# Altium PCB BrewController.PcbDoc (continued)
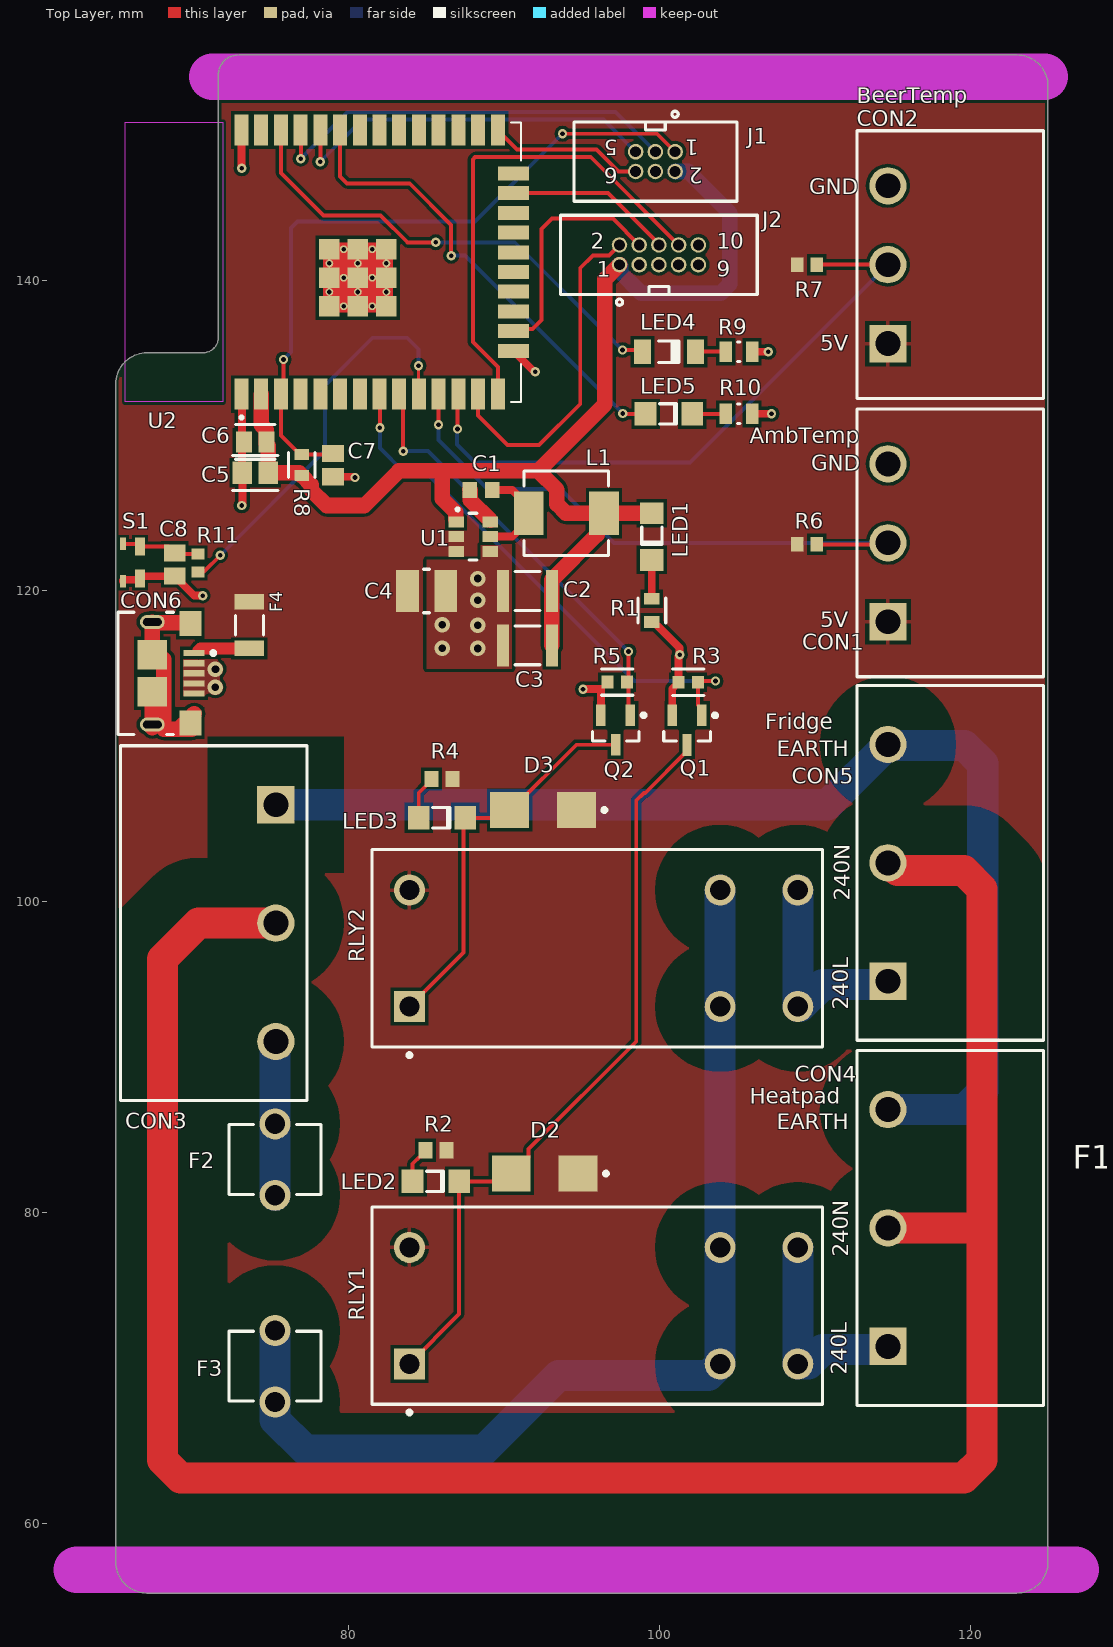
[diagram p0: Top Layer view]
## Part data (continued)
Q1 Q2: library part CMP-1259-00085-1, "N-Channel Trench MOSFET, 60 V, 0.36 A, -55 to 150 degC, 3-Pin SOT23, Tape and Reel", Manufacturer="NXP Semiconductors", Supplier Part Number 1=1727-1142-1-ND, Automotive Qualified=Y, Category=MOSFETs, Channel Type=N, Code_JEDEC=TO-236AB, ComponentLink1Description="Manufacturer URL", ComponentLink1URL=http://www.nxp.com/, ComponentLink2Description=Datasheet, ComponentLink2URL=http://www.nxp.com/documents/data_sheet/BSS138P.pdf, ComponentLink3Description="Package Specification", ComponentLink3URL=http://www.nxp.com/documents/outline_drawing/sot023_po.pdf, ComponentLink4Description=http://www.farnell.com/datasheets/923164.pdf?src-supplier=Farnell, ComponentLink4URL=http://www.farnell.com/datasheets/923164.pdf?src-supplier=Farnell, ComponentLink5Description=https://www.mouser.com/ds/2/302/BSS138P-114022.pdf?src-supplier=Mouser, ComponentLink5URL=https://www.mouser.com/ds/2/302/BSS138P-114022.pdf?src-supplier=Mouser, ComponentLink6Description=https://assets.nexperia.com/documents/data-sheet/BSS138P.pdf?src-supplier=Digi-Key, ComponentLink6URL=https://assets.nexperia.com/documents/data-sheet/BSS138P.pdf?src-supplier=Digi-Key, ComponentLink7Description=http://www.farnell.com/datasheets/923164.pdf?src-supplier=Newark, ComponentLink7URL=http://www.farnell.com/datasheets/923164.pdf?src-supplier=Newark, DatasheetVersion="Rev. 1", ID [max] (A)=0.36, IDM [max] (A)=1.2, Manufacturer Part Number=BSS138P,215, Mounting Technology="Surface Mount", PackageDescription="3-Pin Small Outline Transistor Package, Body 2.9 x 1.3 mm, Pitch 0.95 mm", PackageReference=SOT23, PackageVersion="06-03-16, 03/2006", Packing="Tape & Reel", PartNumber=BSS138P,215, RoHS=No, Stock 1=527110, Supplier 1=Digi-Key, VDS [max] (V)=60, VGSth [typ] (V)=1.2
R1: library part CMP-02407-003555-1, "RES Thick Film, 220Ω, 1%, 0.1W, 100ppm/°C, 0603", Case Code (Imperial)=0603, Case Code (Metric)=1608, Manufacturer="Vishay Dale", Max Operating Temperature=155°C, Max Power Dissipation=100mW, Min Operating Temperature=-55°C, Package Quantity=10000, Resistance=220R, Resistor Type="Thick Film", Supplier Part Number 1=541-CRCW0603220RFKEBCT-ND, Temperature Coefficient=100ppm/°C, Tolerance=1%, Voltage Rating=75V, Case/Package=0603, Category="Chip SMD Resistors", ComponentLink1Description=https://datasheet.ciiva.com/16430/dcrcwe3-16430094.pdf?src-supplier=Future+Electronics, ComponentLink1URL=https://datasheet.ciiva.com/16430/dcrcwe3-16430094.pdf?src-supplier=Future+Electronics, Composition="Thick Film", Depth=0.85mm, Features="Automotive AEC-Q200", Height=0.02inch, Lead Free="Lead Free", Length=1.55mm, Manufacturer Part Number=CRCW0603220RFKEB, Military Standard=Not, Number of Terminations=2, Packaging="Tape and Reel", Power Rating=100mW, RoHS=Yes, Stock 1=12344, Supplier 1=Digi-Key, Termination=SMD/SMT, Weight=7.1E-05oz, Width=0.85mm
R2 R4: library part CMP-2000-03529-1, "0603 680R", Case Code (Imperial)=0603, Case Code (Metric)=1608, Manufacturer="Vishay Dale", Max Operating Temperature=155°C, Max Power Dissipation=100mW, Min Operating Temperature=-55°C, Package Quantity=10, Resistance=680R, Resistor Type="Thick Film", Supplier Part Number 1=541-680HCT-ND, Temperature Coefficient=100ppm/°C, Tolerance=1%, Voltage Rating=75V, Case/Package=0603, Category="Chip SMD Resistors", ComponentLink1Description=https://datasheet.ciiva.com/11809/0900766b80d98afc-11809697.pdf?src-supplier=RSComponents, ComponentLink1URL=https://datasheet.ciiva.com/11809/0900766b80d98afc-11809697.pdf?src-supplier=RSComponents, ComponentLink2Description=https://datasheet.ciiva.com/16884/dcrcwe3-16884089.pdf?src-supplier=Avnet+Europe, ComponentLink2URL=https://datasheet.ciiva.com/16884/dcrcwe3-16884089.pdf?src-supplier=Avnet+Europe, ComponentLink3Description=https://datasheet.ciiva.com/2465/dcrcwe3-2465995.pdf?src-supplier=Digi-Key, ComponentLink3URL=https://datasheet.ciiva.com/2465/dcrcwe3-2465995.pdf?src-supplier=Digi-Key, ComponentLink4Description=https://datasheet.ciiva.com/7777/1697337-7777339.pdf?src-supplier=Element14, ComponentLink4URL=https://datasheet.ciiva.com/7777/1697337-7777339.pdf?src-supplier=Element14, ComponentLink5Description=https://datasheet.ciiva.com/22870/70201119-22870779.pdf?src-supplier=Allied+Electronics, ComponentLink5URL=https://datasheet.ciiva.com/22870/70201119-22870779.pdf?src-supplier=Allied+Electronics, ComponentLink6Description=https://datasheet.ciiva.com/16762/70201119-16762012.pdf?src-supplier=Allied+Electronics, ComponentLink6URL=https://datasheet.ciiva.com/16762/70201119-16762012.pdf?src-supplier=Allied+Electronics, ComponentLink7Description=https://datasheet.ciiva.com/5540/dcrcwe3-109170-5540887.pdf?src-supplier=Mouser, ComponentLink7URL=https://datasheet.ciiva.com/5540/dcrcwe3-109170-5540887.pdf?src-supplier=Mouser, ComponentLink8Description=https://datasheet.ciiva.com/2465/dcrcwe3-2465993.pdf?src-supplier=Digi-Key, ComponentLink8URL=https://datasheet.ciiva.com/2465/dcrcwe3-2465993.pdf?src-supplier=Digi-Key, ComponentLink9Description=https://datasheet.ciiva.com/2465/dcrcwe3-2465994.pdf?src-supplier=Digi-Key, ComponentLink9URL=https://datasheet.ciiva.com/2465/dcrcwe3-2465994.pdf?src-supplier=Digi-Key, ComponentLink10Description=https://datasheet.ciiva.com/7777/1720486-7777564.pdf?src-supplier=Element14, ComponentLink10URL=https://datasheet.ciiva.com/7777/1720486-7777564.pdf?src-supplier=Element14, ComponentLink11Description=https://datasheet.ciiva.com/16200/dcrcwe3-16200589.pdf?src-supplier=Future+Electronics, ComponentLink11URL=https://datasheet.ciiva.com/16200/dcrcwe3-16200589.pdf?src-supplier=Future+Electronics, Contact Plating=Tin, Depth=0.85mm, Features="Automotive AEC-Q200", Height=0.45mm, Lead Free="Lead Free", Length=1.55mm, Manufacturer Part Number=CRCW0603680RFKEA, Military Standard=Not, Number of Pins=2, Number of Terminations=2, Packaging="Tape and Reel", Part Number=CRCW0603680RFKEA, Power Rating=100mW, Radiation Hardening=No, REACH SVHC=Unknown, RoHS=Yes, Stock 1=53960, Supplier 1=Digi-Key, Termination=SMD/SMT, Voltage Rating (DC)=75V, Weight=7.1E-05oz, Width=0.85mm, Working Voltage=75V
R3 R5: library part CMP-03211-005148-1, "CRGCQ0603 1MΩ 5% ±100ppm/°C 75V", Ambient Temperature Range High=+70°C, Case Code (Imperial)=0603, Case Code (Metric)=1608, Manufacturer="TE Connectivity", Max Operating Temperature=155°C, Max Power Dissipation=100mW, Min Operating Temperature=-55°C, Package=CRGCQ0603, Power Rating=0.1W, Resistance=1MΩ, Resistor Type="Thick Film", Supplier Part Number 1=A130109CT-ND, Temperature="-55°C to +155°C", Temperature Coefficient=±100ppm/°C, Temperature Range High=+155°C, Tolerance=0.05, Voltage Rating=75V, Case/Package=0603, Category=Res, ComponentLink1Description=https://4donline.ihs.com/images/VipMasterIC/IC/TYEL/TYEL-S-A0004929575/TYEL-S-A0004929575-1.pdf?hkey=52A5661711E402568146F3353EA87419&src-supplier=Element14, ComponentLink1URL=https://4donline.ihs.com/images/VipMasterIC/IC/TYEL/TYEL-S-A0004929575/TYEL-S-A0004929575-1.pdf?hkey=52A5661711E402568146F3353EA87419&src-supplier=Element14, ComponentLink2Description=Datasheet, ComponentLink2URL=https://www.te.com/commerce/DocumentDelivery/DDEController?Action=showdoc&DocId=Data+Sheet%7F1773204-3%7F1%7Fpdf%7FEnglish%7FENG_DS_1773204-3_1.pdf%7F4-2176339-1379, ComponentLink3Description=https://www.te.com/commerce/DocumentDelivery/DDEController?Action=srchrtrv&amp;DocNm=1773204-3&amp;DocType=DS&amp;DocLang=English&src-supplier=Digi-Key, ComponentLink3URL=https://www.te.com/commerce/DocumentDelivery/DDEController?Action=srchrtrv&amp;DocNm=1773204-3&amp;DocType=DS&amp;DocLang=English&src-supplier=Digi-Key, ComponentLink4Description=https://www.te.com/commerce/DocumentDelivery/DDEController?Action=srchrtrv&DocNm=1773204-3&DocType=DS&DocLang=English&src-supplier=Digi-Key, ComponentLink4URL=https://www.te.com/commerce/DocumentDelivery/DDEController?Action=srchrtrv&DocNm=1773204-3&DocType=DS&DocLang=English&src-supplier=Digi-Key, ComponentLink5Description=https://4donline.ihs.com/images/VipMasterIC/IC/TYEL/TYEL-S-A0004929575/TYEL-S-A0004929575-1.pdf?hkey=52A5661711E402568146F3353EA87419&src-supplier=Farnell, ComponentLink5URL=https://4donline.ihs.com/images/VipMasterIC/IC/TYEL/TYEL-S-A0004929575/TYEL-S-A0004929575-1.pdf?hkey=52A5661711E402568146F3353EA87419&src-supplier=Farnell, ComponentLink6Description=https://4donline.ihs.com/images/VipMasterIC/IC/TYEL/TYEL-S-A0004929575/TYEL-S-A0004929575-1.pdf?hkey=52A5661711E402568146F3353EA87419&src-supplier=Newark, ComponentLink6URL=https://4donline.ihs.com/images/VipMasterIC/IC/TYEL/TYEL-S-A0004929575/TYEL-S-A0004929575-1.pdf?hkey=52A5661711E402568146F3353EA87419&src-supplier=Newark, Composition="Thick Film", Device Class L1="Passive Components", Device Class L2=Resistors, Device Class L3="Chip SMD Resistors", Features="Moisture Resistant,Automotive AEC-Q200", Height=0.55mm, Ipc Land Pattern Name=RESC16080X45, Lead Free=Yes, Manufacturer Part Number=CRGCQ0603J1M0, Number of Terminations=2, Octopart=https://octopart.com/crgcq0603j1m0-te+connectivity-91018106, Packaging="Tape and Reel", RoHS=TRUE, Series=CRGCQ, Stock 1=139970, Supplier 1=Digi-Key, Temperature Range Low=-55°C
R6 R7: library part CMP-2000-03412-1, "0603 4K7", Case Code (Imperial)=0603, Case Code (Metric)=1608, Manufacturer="Vishay Dale", Max Operating Temperature=155°C, Max Power Dissipation=100mW, Min Operating Temperature=-55°C, Package Quantity=5000, Resistance=4.7kR, Resistor Type="Thick Film", Supplier Part Number 1=541-3004-1-ND, Temperature Coefficient=100ppm/°C, Tolerance=1%, Voltage Rating=75V, Case/Package=0603, Category="Chip SMD Resistors", ComponentLink1Description=https://datasheet.ciiva.com/2565/dcrcw-2565426.pdf?src-supplier=Digi-Key, ComponentLink1URL=https://datasheet.ciiva.com/2565/dcrcw-2565426.pdf?src-supplier=Digi-Key, ComponentLink2Description=https://datasheet.ciiva.com/9071/dcrcw-9071351.pdf?src-supplier=Avnet, ComponentLink2URL=https://datasheet.ciiva.com/9071/dcrcw-9071351.pdf?src-supplier=Avnet, Contact Plating=Tin,Lead, Depth=0.85mm, Features="Automotive AEC-Q200", Height=0.02inch, Lead Free="Contains Lead", Length=1.55mm, Manufacturer Part Number=CRCW06034K70FKTA, Military Standard=Not, Number of Terminations=2, Packaging="Tape and Reel", Part Number=CRCW06034K70FKTA, Power Dissipation=100mW, Power Rating=100mW, Radiation Hardening=No, RoHS=Yes, Stock 1=384, Supplier 1=Digi-Key, Voltage Rating (DC)=75V, Weight=7.1E-05oz, Width=0.033inch
R8: library part CMP-02407-000334-1, "RES SMD 100 OHM 1% 1/8W 0603", Case Code (Imperial)=0603, Case Code (Metric)=1608, Manufacturer="Vishay BCcomponents", Max Operating Temperature=125°C, Max Power Dissipation=100mW, Min Operating Temperature=-55°C, Package Quantity=5000, Resistance=10kR, Resistor Type="Thin Film", Supplier Part Number 1=749-1719-1-ND, Temperature Coefficient=15ppm/°C, Tolerance=0.1%, Voltage Rating=75V, Case/Package=0603, Category="Chip SMD Resistors", ComponentLink1Description=https://datasheet.ciiva.com/8897/mc-pre-8897866.pdf?src-supplier=Avnet, ComponentLink1URL=https://datasheet.ciiva.com/8897/mc-pre-8897866.pdf?src-supplier=Avnet, ComponentLink2Description=https://datasheet.ciiva.com/2606/mc-pre-2606078.pdf?src-supplier=Digi-Key, ComponentLink2URL=https://datasheet.ciiva.com/2606/mc-pre-2606078.pdf?src-supplier=Digi-Key, Composition="Thin Film", Contact Plating=Tin, Depth=0.85mm, Height=0.022inch, Lead Free="Lead Free", Length=0.061inch, Manufacturer Part Number=MCT06030E1002BP500, Military Standard=Not, Number of Terminations=2, Packaging="Tape and Reel", Power Rating=100mW, Radiation Hardening=No, REACH SVHC="No SVHC", RoHS=Yes, Stock 1=21385, Supplier 1=Digi-Key, Voltage Rating (DC)=75V, Width=0.033inch
R9 R10: library part CMP-02407-007854-1, "RES Thick Film, 120Ω, 1%, 0.125W, 100ppm/°C, 0805", Case Code (Imperial)=0805, Case Code (Metric)=2012, Manufacturer=Vishay, Max Operating Temperature=155°C, Max Power Dissipation=125mW, Min Operating Temperature=-55°C, Package Quantity=10, Resistance=120R, Resistor Type="Thick Film", Supplier Part Number 1=541-120CCT-ND, Temperature Coefficient=100ppm/°C, Tolerance=1%, Voltage Rating=150V, Case/Package=0805, Category="Chip SMD Resistors", ComponentLink1Description=https://datasheet.ciiva.com/11810/0900766b80d98b26-11810477.pdf?src-supplier=RSComponents, ComponentLink1URL=https://datasheet.ciiva.com/11810/0900766b80d98b26-11810477.pdf?src-supplier=RSComponents, ComponentLink2Description=https://datasheet.ciiva.com/3258/dcrcwe3-3258069.pdf?src-supplier=Avnet, ComponentLink2URL=https://datasheet.ciiva.com/3258/dcrcwe3-3258069.pdf?src-supplier=Avnet, ComponentLink3Description=https://datasheet.ciiva.com/26317/fld-crcw-e3-data-en-26317334.pdf?src-supplier=Distrelec, ComponentLink3URL=https://datasheet.ciiva.com/26317/fld-crcw-e3-data-en-26317334.pdf?src-supplier=Distrelec, ComponentLink4Description=https://datasheet.ciiva.com/2467/dcrcwe3-2467512.pdf?src-supplier=Digi-Key, ComponentLink4URL=https://datasheet.ciiva.com/2467/dcrcwe3-2467512.pdf?src-supplier=Digi-Key, ComponentLink5Description=https://datasheet.ciiva.com/2467/dcrcwe3-2467513.pdf?src-supplier=Digi-Key, ComponentLink5URL=https://datasheet.ciiva.com/2467/dcrcwe3-2467513.pdf?src-supplier=Digi-Key, ComponentLink6Description=https://datasheet.ciiva.com/16852/dcrcwe3-16852841.pdf?src-supplier=Avnet+Europe, ComponentLink6URL=https://datasheet.ciiva.com/16852/dcrcwe3-16852841.pdf?src-supplier=Avnet+Europe, ComponentLink7Description=https://datasheet.ciiva.com/2467/dcrcwe3-2467514.pdf?src-supplier=Digi-Key, ComponentLink7URL=https://datasheet.ciiva.com/2467/dcrcwe3-2467514.pdf?src-supplier=Digi-Key, ComponentLink8Description=https://datasheet.ciiva.com/7777/1697337-7777354.pdf?src-supplier=Element14, ComponentLink8URL=https://datasheet.ciiva.com/7777/1697337-7777354.pdf?src-supplier=Element14, ComponentLink9Description=https://datasheet.ciiva.com/16788/70201119-16788154.pdf?src-supplier=Allied+Electronics, ComponentLink9URL=https://datasheet.ciiva.com/16788/70201119-16788154.pdf?src-supplier=Allied+Electronics, ComponentLink10Description=https://datasheet.ciiva.com/16211/dcrcwe3-16211931.pdf?src-supplier=Future+Electronics, ComponentLink10URL=https://datasheet.ciiva.com/16211/dcrcwe3-16211931.pdf?src-supplier=Future+Electronics, ComponentLink11Description=https://datasheet.ciiva.com/7777/1720486-7777567.pdf?src-supplier=Element14, ComponentLink11URL=https://datasheet.ciiva.com/7777/1720486-7777567.pdf?src-supplier=Element14, Composition="Thick Film", Contact Plating=Tin, Depth=1.25mm, Features="Automotive AEC-Q200", Height=0.45mm, Lead Free="Lead Free", Length=2mm, Manufacturer Part Number=CRCW0805120RFKEA, Military Standard=Not, Mount="Surface Mount", Number of Terminations=2, Packaging="Tape and Reel", Power Rating=125mW, Radiation Hardening=No, REACH SVHC=Unknown, RoHS=Yes, Stock 1=76539, Supplier 1=Digi-Key, Termination=SMD/SMT, Voltage Rating (DC)=150V, Weight=0.000194oz, Width=1.25mm
R11: library part CMP-2000-03839-1, "Res Thick Film 0603 10K Ohm 5% 0.1W(1/10W) ±200ppm/C Molded SMD Automotive Paper T/R", Case Code (Imperial)=0603, Case Code (Metric)=1608, Manufacturer="Vishay Dale", Max Operating Temperature=155°C, Max Power Dissipation=100mW, Min Operating Temperature=-55°C, Package Quantity=10000, Resistance=10kR, Resistor Type="Thick Film", Supplier Part Number 1=541-CRCW060310K0JNEBCT-ND, Temperature Coefficient=200ppm/°C, Tolerance=5%, Voltage Rating=75V, Case/Package=0603, Category="Chip SMD Resistors", ComponentLink1Description=https://datasheet.ciiva.com/28588/1747939-28588894.pdf?src-supplier=Element14, ComponentLink1URL=https://datasheet.ciiva.com/28588/1747939-28588894.pdf?src-supplier=Element14, ComponentLink2Description=https://datasheet.ciiva.com/16426/dcrcwe3-16426303.pdf?src-supplier=Future+Electronics, ComponentLink2URL=https://datasheet.ciiva.com/16426/dcrcwe3-16426303.pdf?src-supplier=Future+Electronics, Contact Plating=Tin, Depth=0.85mm, Features="Automotive AEC-Q200", Height=0.02inch, Lead Free="Lead Free", Length=1.55mm, Manufacturer Part Number=CRCW060310K0JNEB, Military Standard=Not, Number of Terminations=2, Packaging="Tape and Reel", Part Number=CRCW060310K0JNEB, Power Rating=100mW, Radiation Hardening=No, REACH SVHC=Unknown, RoHS=Yes, Stock 1=86, Supplier 1=Digi-Key, Termination=SMD/SMT, Voltage Rating (DC)=75V, Weight=7.1E-05oz, Width=0.85mm
RLY1 RLY2: library part CMP-08822-000015-1_5V, "RELAY GEN PURPOSE SPST 16A 5V", Ambient Temperature Range High=+85°C, Ambient Temperature Range Low=-40°C, Coil Current=80mA, Coil Power=400mW, Coil Resistance=62.5Ω, Coil Voltage=5V, Current Rating=16A, Manufacturer=Omron, Package=0, Temperature="-40°C to +85°C", Automotive=No, Category=Relay, Coil Type=Non-Latching, ComponentLink2Description=Datasheet, ComponentLink2URL=https://omronfs.omron.com/en_US/ecb/products/pdf/en-g2rl.pdf, Device Class L1=Electromechanical, Device Class L2=Relays, Device Class L3="Power Relays", Digikey Description="RELAY GEN PURPOSE SPST 16A 5V", Height=15.7mm, Lead Free=Yes, Manufacturer Part Number="G2RL-1A-E DC5", Mouser Description="Power Relay 5VDC 16A SPST-NO (( 29mm 12.7mm 15.7mm)) Through Hole", Number Of Contacts=1, Octopart=https://octopart.com/g2rl-1a-e-dc5-omron-797358, RoHS=TRUE, Switching Current=16A, Temperature Range High=+85°C, Temperature Range Low=-40°C, Throw Configuration=SPST-NO
S1: "RIGHT ANGLE SMT TACT SWITCH 2.0M", Manufacturer=E-Switch, Manufacturer Part Number=TL4110AF160Q, Max Operating Temperature=85°C, Min Operating Temperature=-40°C, Operating Force=160gf, Supplier Part Number 1=EG5545CT-ND, Actuator Type=Standard, Category="Tactile Switches", ComponentLink1Description=https://media.digikey.com/pdf/Data%20Sheets/E-Switch%20PDFs/TL4110_Series_Tact_Switch.pdf?src-supplier=Digi-Key, ComponentLink1URL=https://media.digikey.com/pdf/Data%20Sheets/E-Switch%20PDFs/TL4110_Series_Tact_Switch.pdf?src-supplier=Digi-Key, Illumination Type=Non-Illuminated, Manufacturer 1=E-Switch, Manufacturer Part Number 1=TL4110AF160Q, Mechanical Life=300000Cycles, Mount=Edge, Packaging="Tape and Reel", Pricing 1="1=0.70000, 10=0.67200, 25=0.64640, 100=0.56090, 250=0.51184, 500=0.47564, 1000=0.42653, 2500=0.40068 (USD)", RoHS=No, Stock 1=4332, Supplier 1=Digi-Key, Switch Function=Off-Mom, Switch Travel=0.13mm, Termination="Gull Wing", Throw Configuration=SPST
U1: "AP63203 Series 3.3 V 2 A SMT Fixed Low IQ Synchronous Buck - TSOT-26", Manufacturer=Diodes, Manufacturer Part Number=AP63203WU-7, Supplier Part Number 1=AP63203WU-7DICT-ND, ComponentLink1Description=https://datasheet.octopart.com/AP63203WU-7-Diodes-Inc.-datasheet-130008827.pdf, ComponentLink1URL=https://datasheet.octopart.com/AP63203WU-7-Diodes-Inc.-datasheet-130008827.pdf, ComponentLink2Description=https://sigma.octopart.com/138799930/technical_drawing/Diodes-Inc.-AP63203WU-7.pdf, ComponentLink2URL=https://sigma.octopart.com/138799930/technical_drawing/Diodes-Inc.-AP63203WU-7.pdf, Manufacturer 1=Diodes, Manufacturer Part Number 1=AP63203WU-7, Pricing 1="1=0.83000, 10=0.74500, 25=0.70720, 100=0.54290, 250=0.47976, 500=0.45450, 1000=0.35350 (USD)", RoHS=No, Stock 1=9889, Supplier 1=Digi-Key
U2: "Wi-Fi/BT BLE Module ESP32-D0WD, SPI Flash, UART, P", Case/Package=SMD/SMT, Frequency=2.5GHz, Manufacturer="Espressif Systems", Max Operating Temperature=85°C, Min Operating Temperature=-40°C, Supplier Part Number 1=1904-1023-1-ND, Category="RF Receivers, Transceivers", ComponentLink1Description=https://www.espressif.com/sites/default/files/documentation/esp32-wroom-32d_esp32-wroom-32u_datasheet_en.pdf?src-supplier=Digi-Key, ComponentLink1URL=https://www.espressif.com/sites/default/files/documentation/esp32-wroom-32d_esp32-wroom-32u_datasheet_en.pdf?src-supplier=Digi-Key, Data Rate=150Mbps, Interface=I2C,SPI,GPIO,PWM,SDIO,UART, Manufacturer 1="Espressif Systems", Manufacturer Part Number=ESP32-WROOM-32D, Manufacturer Part Number 1=ESP32-WROOM-32D, Memory Size=536KB, Mount="Surface Mount", Packaging="Cut Tape", Pricing 1="1=3.80000 (USD)", RoHS=No, Sensitivity=-98dBm, Stock 1=1335, Supplier 1=Digi-Key, Supplier 2="Arrow Electronics", Supplier Part Number 2=ESP32-WROOM-32D

## Via types
v1: diameter 0.6, hole 0.3, Top Layer to Bottom Layer, 25 vias
v2: diameter 1, hole 0.5, Top Layer to Bottom Layer, 8 vias

## Nets (pads, with @x,y where several pads share a name; then routed paths per layer and width w, separated by ;. In a path a pad name is that pad's centre, name@x,y a point inside that pad or via, vN(x,y) a via of type N, cw(c..) or ccw(c..) an arc to the next point about the centre after c; other vN are vias at no path point)
240V_E: CON3.1 CON4.3 CON5.3 | length 75.3
  Bottom Layer w2: CON3.1 110.82,106.24 CON5.3 114.77,110.05 119.628,110.05 120.8,108.878 120.8,87.792 119.628,86.62 CON4.3
240V_L: F3.1 RLY1.3 RLY1.6 RLY2.3 RLY2.6 | length 68
  Bottom Layer w2: F3.1@75.25,72.35 75.25,66.65 77.2,64.7 88.7,64.7 93.5,69.5 103.15,69.5 RLY1.3 RLY1.6 RLY2.3 RLY2.6
240V_N: CON3.2 CON4.2 CON5.2 | length 143.8
  Top Layer w2: CON3.2 70.32,98.62 68,96.3 68,64.072 69.172,62.9 119.578,62.9 120.75,64.072 120.75,79 ; CON4.2 120.75,79 ; CON5.2 114.808,102.5 115.308,102 119.578,102 120.75,100.828 120.75,79
+3V3: C2.2 C3.2 C5.2 C6.2 J1.2 J2.1 L1.2 LED1.2 R8.1 U1.1 U2.2 | length 80
  Top Layer w1: U2.2 74.353,130.697 74.673,130.376 74.673,129.477 74.801,129.349 C5.2 76.8,127.6 R8.1 77.572,126.828 77.572,126.509 78.58,125.5 81,125.5 83.228,127.728 86,127.728 ; U1.1@86.893,124.612 86.893,125.058 86,125.951 86,127.728 ; C3.2 C2.2 93.075,120.725 95.973,123.623 95.973,124.548 L1.2 ; J2.1 96.469,140.049 96.469,132.009 92.188,127.728 ; LED1.2 L1.2 ; 86,127.728 92.188,127.728 ; 92.188,127.728 93.387,126.529 93.387,125.586 93.973,125 L1.2
  Bottom Layer w1: J2.1 97.487,140.933 97.487,140.502 98.822,139.167 103.935,139.167 104.521,139.752 104.521,144.323 101.844,147 J1.2
+5V: C4.1 CON1.1 CON2.1 D2.1 D3.1 F4.2 R2.2 R4.2 R6.1 R7.1 RLY1.8 RLY2.8 U1.2 U1.3
EN: C7.1 J1.1 R8.2 U2.3 | length 45.2
  Top Layer w0.254: v1(75.794,134.899) 75.794,132.836 U2.3 75.623,130.002 76.85,128.775 R8.2 78.9,128.775 C7.1 ; v1(93.751,149.428) 99.842,149.428 J1.1
  Bottom Layer w0.254: v1(75.794,134.899) 76.282,135.388 76.282,143.367 76.704,143.789 88.113,143.789 v1(93.751,149.428)
FACTORY_RST: R11.1 U2.10 | length 26.1
  Top Layer w0.203: v1(84.48,134.493) 84.48,132.697 U2.10
  Top Layer w0.25: R11.1 70.654,121.225 v1(71.73,122.301)
  Bottom Layer w0.25: v1(71.73,122.301) 78.461,129.032 78.461,133.223 81.534,136.296 83.744,136.296 84.48,135.56 v1(84.48,134.493)
GND: C2.1 C3.1 C4.2 C5.1 C6.1 C7.2 C8.1 CON1.3 CON2.3 CON6.2 CON6.3 CON6.4 CON6.5 J1.4 J2.3 J2.5 J2.7 J2.9 Q1.2 Q2.2 R1.2 R3.2 R5.2 R9.1 R10.1 S1.2 U1.4 U2.1 U2.15 U2.38 U2.39_1 U2.39_2 U2.39_3 U2.39_4 U2.39_5 U2.39_6 U2.39_7 U2.39_8 U2.39_9 U2.39_10 U2.39_11 U2.39_12 U2.39_13 U2.39_14 U2.39_15 U2.39_16 U2.39_17 U2.39_18 U2.39_19 U2.39_20 U2.39_21 | length 31.1
  Top Layer w0.5: S1.2@65.455,120.63 65.455,120.665 65.505,120.715 66.475,120.715 66.55,120.79 66.55,120.8 66.55,120.875 66.625,120.95 C8.1 70.05,119.7 v1(70.6,119.7) ; U2.1 73.116,132.632 73.116,127.633 C5.1 73.149,125.549 v1(73.1,125.5) ; U2.38 73.083,147.217 v1(73.1,147.2) ; C7.2 80.323,127.35 80.373,127.3 v1(80.4,127.3) ; U2.15 91.943,134.1 v1(92,134.1) ; v1(95.076,113.678) 95.098,113.7 95.1,113.7 95.113,113.687 96.222,113.687 Q2.2 ; R1.2 99.625,118 101.281,116.344 101.281,115.919 v1(101.3,115.9) 101.3,115.873 101.215,115.788 R3.2 101.215,114.1 100.821,113.707 Q1.2 ; R10.1 v1(107.2,131.4) ; R9.1 v1(107,135.4)
  other v2: 71.4,113.8 71.41,114.967 88.3,116.3 86.015,116.32 88.3,117.8 86.015,117.82 88.3,119.4 88.3,120.8
IO0: J1.6 U2.25 | length 10
  Top Layer w0.254: U2.25 89.593,149.65 90.83,148.412 95.936,148.412 97.348,147 J1.6
LED_RED: LED5.2 U2.33 | length 30.1
  Top Layer w0.254: U2.33 79.433,146.678 79.883,146.228 83.922,146.228 86.589,143.561 v1(86.589,141.58) ; v1(97.638,131.42) 97.657,131.4 LED5.2
  Bottom Layer w0.254: v1(86.589,141.58) 87.478,141.58 v1(97.638,131.42)
LED_YELLOW: LED4.2 U2.36 | length 30.8
  Top Layer w0.254: U2.36 75.623,146.907 78.359,144.17 82.044,144.17 83.771,142.443 v1(85.598,142.443) ; v1(97.612,135.509) 98.791,135.509 LED4.2
  Bottom Layer w0.254: v1(85.598,142.443) 90.678,142.443 v1(97.612,135.509)
NetC1_1: C1.1 L1.1 U1.5 | length 6.6
  Top Layer w0.5: U1.5 90.517,123.5 91.574,124.558 L1.1 91.574,125.443 90.517,126.5 C1.1
NetC1_2: C1.2 U1.6 | length 2.5
  Top Layer w1: C1.2 87.8,126.475 87.8,125.853 U1.6@89.1,124.553
NetC8_2: C8.2 R11.2 S1.1 | length 5.1
  Top Layer w0.25: S1.1@65.455,123.03 66.38,123.03 66.55,122.86 68.39,122.86 C8.2 68.875,122.375 R11.2
NetCON1_2: CON1.2 R6.2 U2.11 | length 39.5
  Top Layer w0.254: v1(85.776,130.708) 85.776,132.658 U2.11 ; R6.2 CON1.2@115,123
  Bottom Layer w0.254: v1(85.776,130.708) 85.776,129.724 88.932,126.568 93.611,126.568 97.079,123.1 CON1.2
NetCON2_2: CON2.2 R7.2 U2.12 | length 41.6
  Top Layer w0.254: v1(86.995,130.429) 86.995,132.607 U2.12 ; R7.2 CON2.2 CON2.2@115,141
  Bottom Layer w0.254: v1(86.995,130.429) 86.97,130.404 86.97,129.413 88.113,128.27 101.97,128.27 CON2.2
NetCON3_3: CON3.3 F2.1 | length 9.9
  Bottom Layer w2: F2.1@75.25,81.1 75.25,85.7 CON3.3@75.25,91
NetCON4_1: CON4.1 RLY1.4 RLY1.5 | length 13.8
  Bottom Layer w2: RLY1.5 RLY1.4 109.57,70.25 110.5,71.18 114.5,71.18 CON4.1
NetCON5_1: CON5.1 RLY2.4 RLY2.5 | length 14
  Bottom Layer w2: RLY2.5 RLY2.4 109.07,93.25 110.5,94.68 114.5,94.68 CON5.1
NetCON6_1: CON6.1 F4.1 | length 3.3
  Top Layer w0.75: CON6.1@70.325,116.175 70.45,116.3 F4.1
NetD2_2: D2.2 LED2.1 Q1.3 RLY1.1 | length 49
  Top Layer w0.254: RLY1.1 87.1,73.45 LED2.1 89.95,82 D2.2 90.55,82.5 91.573,83.523 91.573,84.073 98.5,91 98.5,106.5 99,107 99.079,107 101.771,109.693 Q1.3
NetD3_2: D3.2 LED3.1 Q2.3 RLY2.1 | length 25.3
  Top Layer w0.254: RLY2.1 87.376,96.726 87.376,105.276 LED3.1 89.85,105.4 D3.2 90.45,105.9 94.652,110.102 Q2.3
NetLED1_1: LED1.1 R1.1 | length 2.5
  Top Layer w0.5: R1.1 LED1.1
NetLED2_2: LED2.2 R2.1 | length 2.4
  Top Layer w0.254: LED2.2 84.1,83.131 84.571,83.602 84.602,83.602 84.925,83.925 R2.1
NetLED3_2: LED3.2 R4.1 | length 2.8
  Top Layer w0.25: LED3.2 84.5,107 85.325,107.825 R4.1
NetLED4_1: LED4.1 R9.2 | length 1.9
  Top Layer w0.254: LED4.1 R9.2
NetLED5_1: LED5.1 R10.2 | length 2.1
  Top Layer w0.254: LED5.1 R10.2
NetQ1_1: Q1.1 R3.1 U2.8 | length 34.7
  Top Layer w0.254: U2.8 82,132.638 v1(82,130.5) ; Q1.1 102.721,112.393 102.469,112.645 R3.1 102.541,114.2 v1(103.6,114.2)
  Bottom Layer w0.254: v1(82,130.5) 82,129.2 83.5,127.7 84.9,127.7 98.4,114.2 v1(103.6,114.2)
NetQ2_1: Q2.1 R5.1 U2.9 | length 27.8
  Top Layer w0.254: U2.9 83.5,132.408 v1(83.5,129) ; v1(98,116.1) 98,114.237 R5.1 98.011,114.025 98.011,112.114 Q2.1
  Bottom Layer w0.254: v1(83.5,129) 85.1,129 v1(98,116.1)
RXD0: J1.5 U2.34 | length 24.3
  Top Layer w0.254: v1(78.16,147.626) 78.163,147.628 U2.34
  Bottom Layer w0.254: v1(78.16,147.626) 80.877,150.343 96.387,150.343 J1.5
TCK: J2.4 U2.16 | length 15.2
  Top Layer w0.254: U2.16 90.728,136.856 91.825,136.856 92.408,137.439 92.408,143.288 93.087,143.967 96.993,143.967 J2.4
TDI: J2.8 U2.14 | length 31.4
  Top Layer w0.25: U2.14 89.593,134.41 87.986,136.017 87.986,147.783 88.132,147.93 95.57,147.93 J2.8
TDO: J2.6 U2.23 | length 10.8
  Top Layer w0.254: U2.23 96.681,145.61 99.96,142.331 J2.6
TMS: J2.2 U2.13 | length 21.7
  Top Layer w0.254: U2.13 88.323,131.286 90.221,129.388 92.253,129.388 94.894,132.029 94.894,140.792 95.707,141.605 96.755,141.605 J2.2
TXD0: J1.3 U2.35 | length 27
  Top Layer w0.254: U2.35 76.911,149.646 v1(76.911,147.828)
  Bottom Layer w0.254: v1(76.911,147.828) 79.908,150.825 97.175,150.825 J1.3
USB_SHLD: CON6.6 CON6.7 CON6.8 CON6.9 CON6.10 CON6.11 | length 14.7
  Top Layer w1: CON6.11@67.35,111.2 CON6.9@67.35,113.7 ; CON6.8@67.35,115.7 CON6.10 67.4,117.95 69.75,117.95 CON6.6 ; 68.1,111.1 CON6.7@69.9,111.1 ; CON6.11@68.1,111.3 CON6.8@68.1,115.6 ; CON6.7@69.15,111.2 CON6.7@70.05,112.1
pads on no net: J2.10 U2.4 U2.5 U2.6 U2.7 U2.17 U2.18 U2.19 U2.20 U2.21 U2.22 U2.24 U2.26 U2.27 U2.28 U2.29 U2.30 U2.31 U2.32 U2.37

## Polygon pours and split planes (outlines as drawn)
GND on Top Layer "GND_L01_P006" (solid, pour order 6): 69.3,115.6 69.3,113.263 72,113.263 72,115.6
+5V on Top Layer "Top Layer-No Net" (solid, remove dead copper, pour order 4): 65,57.5 65,133.327 cw(c67,133.327) 67,135.327 70.6,135.327 ccw(c70.6,136.327) 71.6,136.327 71.6,136.318 71.6,153.2 cw(c72.9,153.2) 72.9,154.5 123,154.5 cw(c123,152.5) 125,152.5 125,57.5 cw(c123,57.5) 123,55.5 67,55.5 cw(c67,57.5)
GND on Top Layer "GND_L01_P001" (solid, pour order 1): 88.5,123 90.5,123 90.5,115 85,115 85,122 88.5,122
GND on Bottom Layer "Bottom Layer_0V" (solid, remove dead copper, pour order 2): 65,55.5 125,55.5 125,154.5 65,154.5

## Keep-outs
Keep-Out Layer:
  lines w3: 62.5,57 126.8,57 ; 71.2,153.1 124.8,153.1

## Silkscreen, mask and mechanical layers (free items; w line width, h text height)
Top Overlay:
  text "GND" at 109.65,145.55 h1
  text "5V" at 110.35,135.45 h1
  text "GND" at 109.75,127.75 h1
  text "5V" at 110.35,117.65 h1
  text "EARTH" at 107.55,109.35 h1
  text "240N" at 112.25,100.05 h1 r90
  text "240L" at 112.15,93.05 h1 r90
  text "EARTH" at 107.55,85.35 h1
  text "240N" at 112.15,77.15 h1 r90
  text "240L" at 112.05,69.55 h1 r90
M1BoardOutline:
  lines w0.2: 65,57.5 ccw(c67,57.5) 67,55.5 123,55.5 ccw(c123,57.5) 125,57.5 125,152.5 ccw(c123,152.5) 123,154.5 72.9,154.5 ccw(c72.9,153.2) 71.6,153.2 71.6,132.627 cw(c70.6,132.627) 70.6,131.627 67,131.627 ccw(c67,129.627) 65,129.627 65,57.5
Mechanical 13:
  lines w0.2: 71.6,136.318 71.6,153.2 cw(c72.9,153.2) 72.9,154.5 123,154.5 cw(c123,152.5) 125,152.5 125,57.5 cw(c123,57.5) 123,55.5 67,55.5 cw(c67,57.5) 65,57.5 65,133.327 cw(c67,133.327) 67,135.327 70.6,135.327 ccw(c70.6,136.327) 71.6,136.327

## Text inside footprints (layer, text, board x,y; h text height)
J1: Top Overlay "5" at 97.317,149.032 h1.02 r180; Top Overlay "6" at 97.317,147.254 h1.02 r180; Top Overlay "1" at 102.524,149.032 h1.02 r180; Top Overlay "2" at 102.778,147.254 h1.02 r180
J2: Top Overlay "9" at 103.665,140.235 h1.02; Top Overlay "10" at 103.665,142.035 h1.02; Top Overlay "1" at 95.955,140.235 h1.02; Top Overlay "2" at 95.555,142.035 h1.02
LED4: Drill Guide "Require cutout in pcb" at 102.975,133.75 h0.25 r180
U2: Mechanical 13 "ANTENNA" at 69.593,135.165 h1.88 r90; Mechanical 13 "ANTENNA" at 69.593,135.165 h1.88 r90